# KiCad board dalishen_pi_h7p20.kicad_pcb
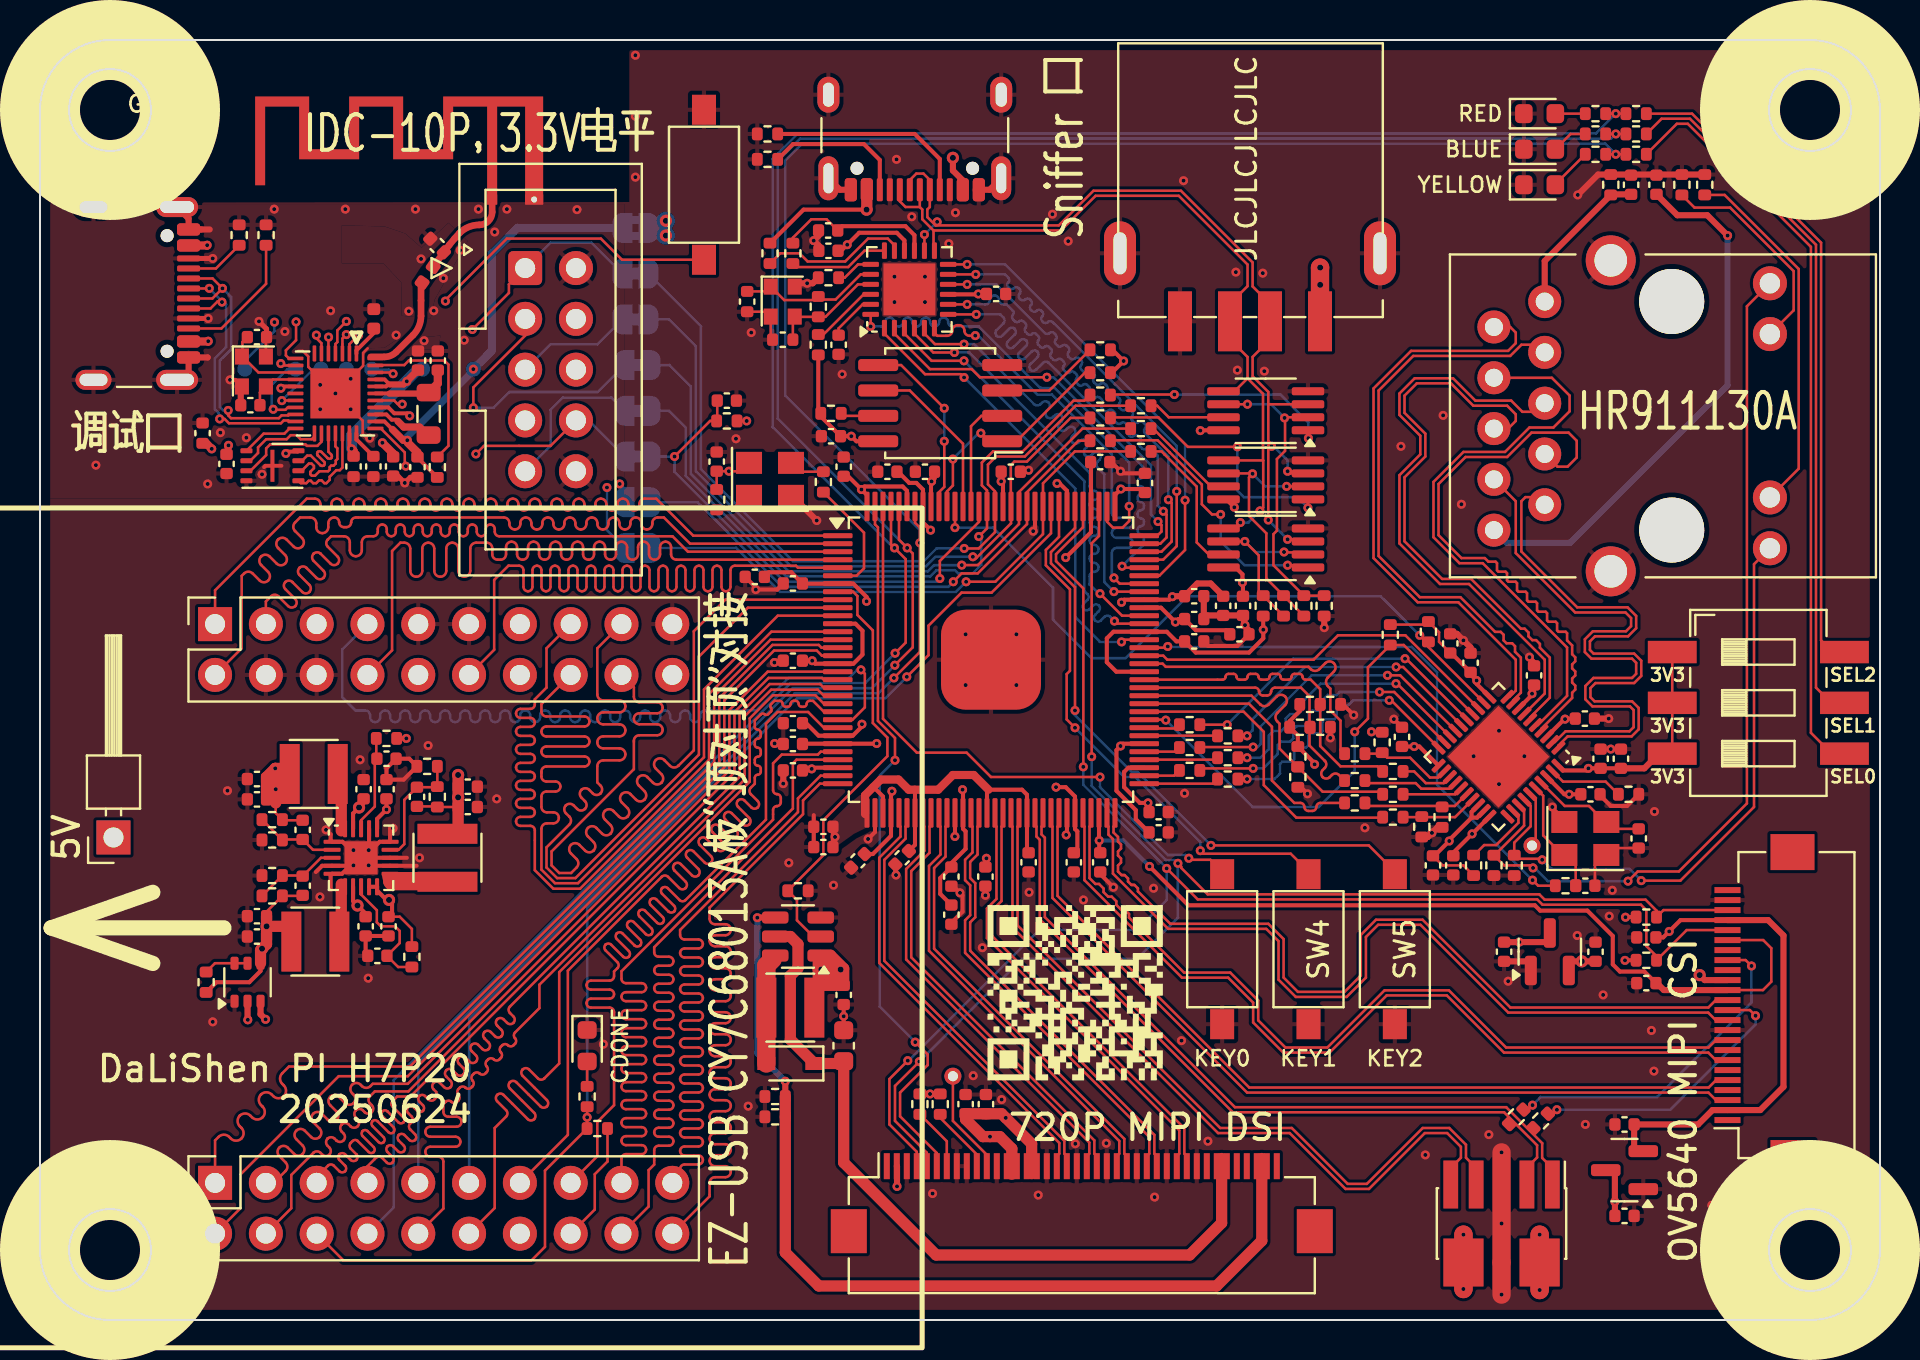
[diagram p0: board, top side]
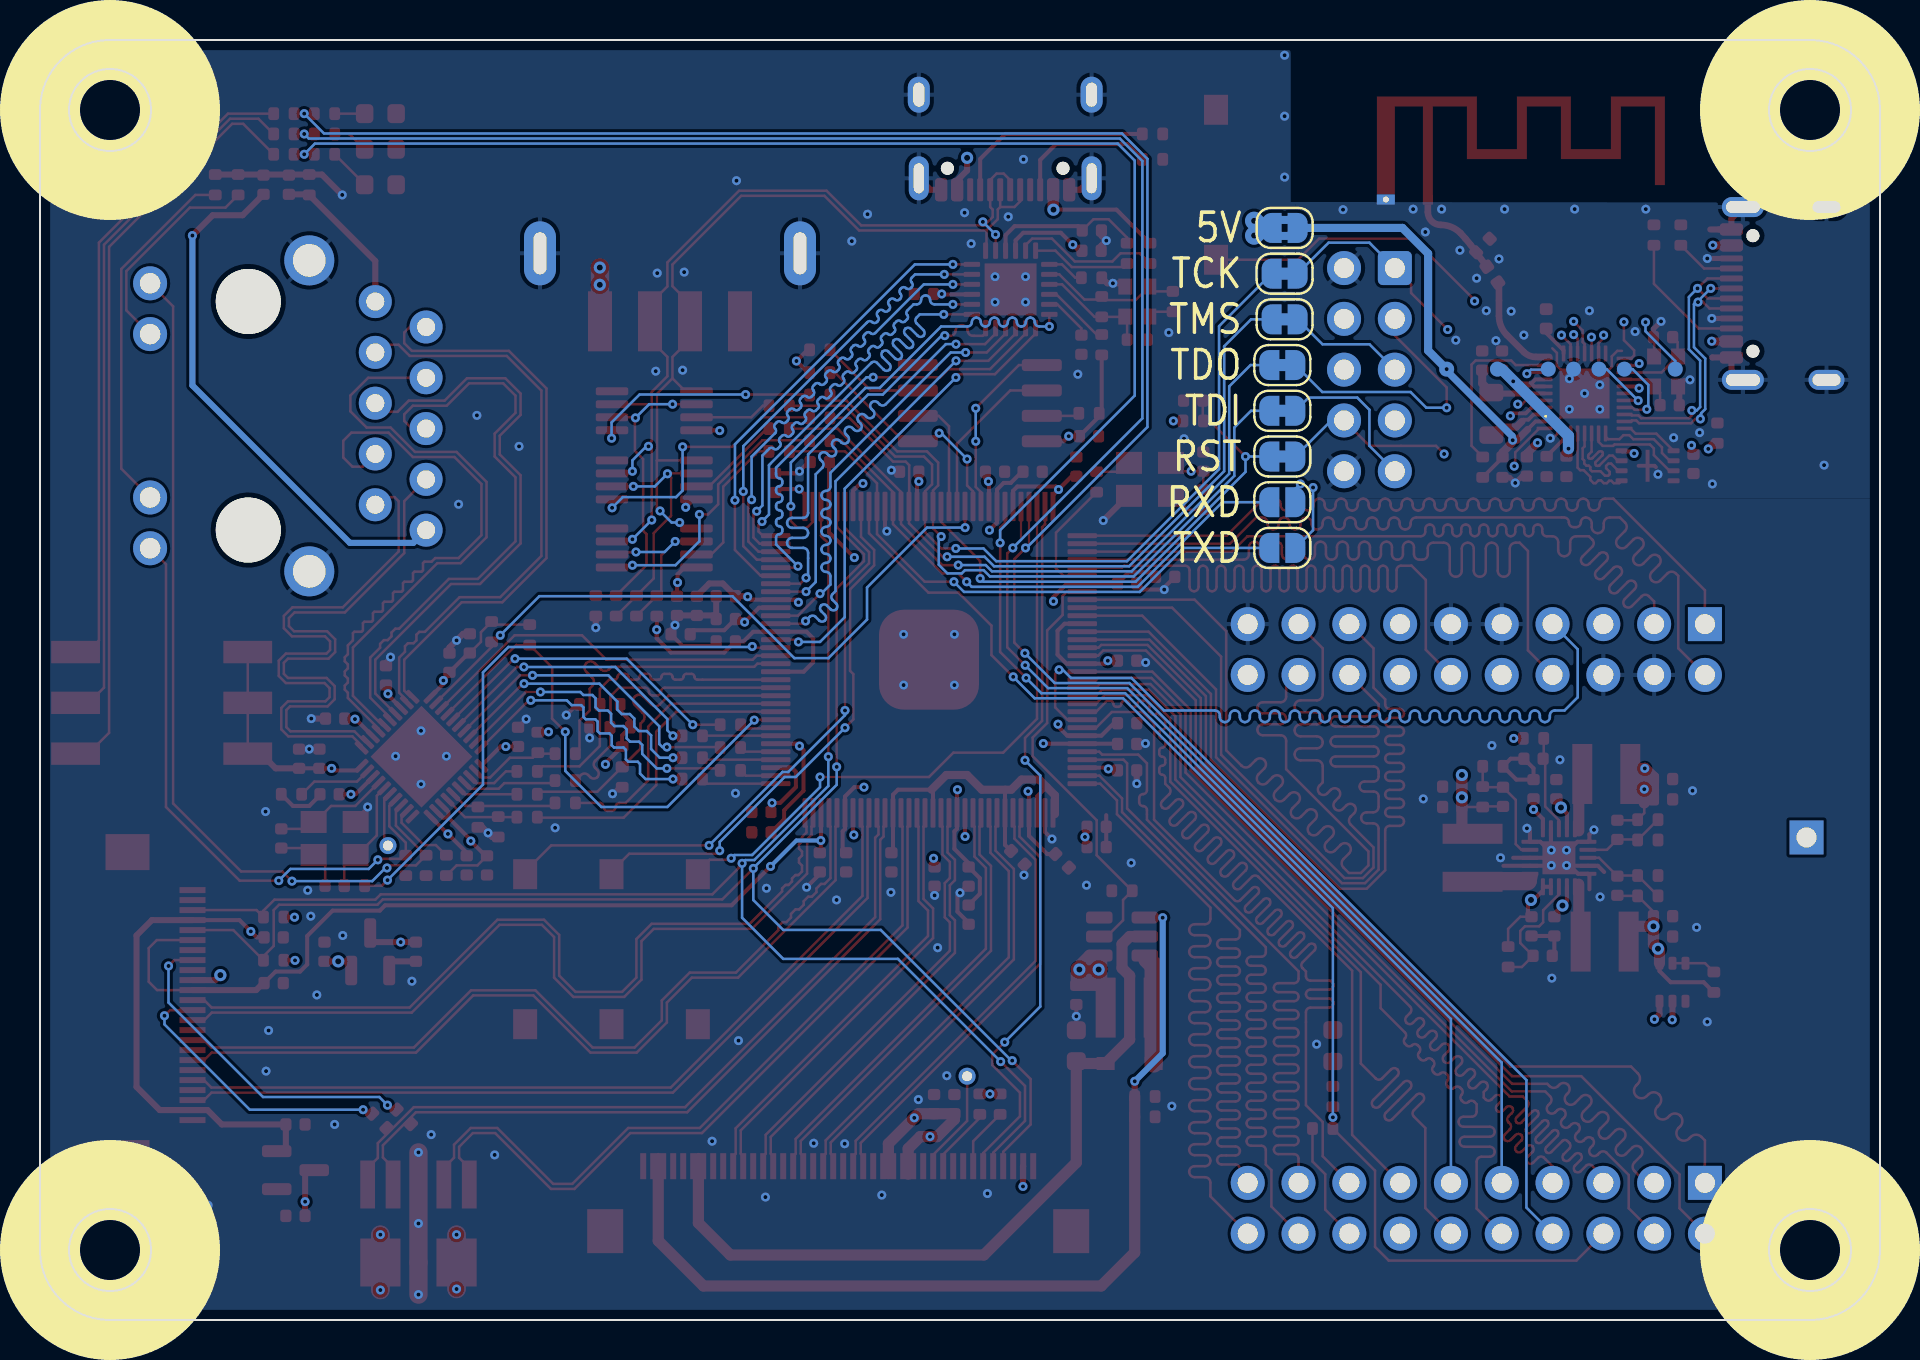
[diagram p1: board, bottom side, seen from below]

Outline 92 x 64.01 mm; copper layers: Top, In1.Cu, In2.Cu, Bottom. Coordinates in mm from the lower left corner of the outline.
Outline path: circle c3.5,60.51 r2.05 ; circle c3.5,3.5 r2.05 ; circle c88.5,60.51 r2.05 ; circle c88.5,3.5 r2.05 ; 0,60.51 arc(1.03,62.98) 3.5,64.01 88.5,64.01 arc(90.97,62.98) 92,60.51 92,3.5 arc(90.97,1.03) 88.5,0 3.5,0 arc(1.03,1.03) 0,3.5 0,60.51
Stack: Top 0.035mm / dielectric 0.2mm FR4 er 4.5 / In1.Cu 0.035mm / dielectric 1mm FR4 er 4.5 / In2.Cu 0.035mm / dielectric 0.2mm FR4 er 4.5 / Bottom 0.035mm

## Placement (name value [footprint] x y rotation side)
2x5_2.54.1001  NC  [IDC-Header_2x05_P2.54mm_Vertical]  24.26 52.6 0 top
AE1001  Antenna_Shield  [Texas_SWRA117D_2.4GHz_Left]  22.61 56.03 0 top
C1  0.1uF  [C_0402_1005Metric]  60.15 35.71 90 top
C2  NC  [C_0402_1005Metric]  33.83 42.93 270 top
C4  10uF  [C_0402_1005Metric]  35.74 37.16 0 top
C5  0.1uF  [C_0402_1005Metric]  40.9 22.96 45 top
C6  0.1uF  [C_0402_1005Metric]  37.64 36.83 0 top
C7  0.1uF  [C_0402_1005Metric]  55.93 24.38 180 top
C8  0.1uF  [C_0402_1005Metric]  51.69 22.89 90 top
C9  0.1uF  [C_0402_1005Metric]  37.64 29.84 0 top
C10  0.1uF  [C_0402_1005Metric]  45.57 22.17 90 top
C11  0.1uF  [C_0402_1005Metric]  53.01 42.9 180 top
C12  4.3pF  [C_0402_6mil]  35.36 50.93 90 top
C13  1uF  [C_0402_1005Metric]  39.42 53.47 0 top
C14  4.3pF  [C_0402_6mil]  37.14 49.02 0 top
C15  0.1uF  [C_0402_1005Metric]  47.8 51.31 180 top
C16  1uF  [C_0402_1005Metric]  39.55 44.2 0 top
C17  0.1uF  [C_0402_1005Metric]  57.71 36.19 180 top
C18  0.1uF  [C_0402_1005Metric]  42.37 42.42 0 top
C19  0.1uF  [C_0402_1005Metric]  57.71 35.05 180 top
C20  0.1uF  [C_0402_1005Metric]  44.25 42.42 0 top
C21  0.1uF  [C_0402_1005Metric]  49.43 22.89 90 top
C22  0.1uF  [C_0402_1005Metric]  47.27 22.17 90 top
C23  0.1uF  [C_0402_1005Metric]  37.64 28.8 0 top
C24  10uF  [C_0402_1005Metric]  59.97 34.29 180 top
C25  220pF  [C_0402_1005Metric]  18.85 26.16 90 top
C26  10uF  [C_0402_1005Metric]  21.39 26.67 180 top
C27  10uF  [C_0402_1005Metric]  21.39 25.65 180 top
C28  220pF  [C_0402_1005Metric]  13.13 21.72 90 top
C29  10uF  [C_0402_1005Metric]  10.85 20.19 0 top
C30  10uF  [C_0402_1005Metric]  10.85 19.18 0 top
C31  10uF  [C_0402_1005Metric]  17.43 19.68 90 top
C32  10uF  [C_0402_1005Metric]  16.28 19.68 90 top
C33  10uF  [C_0402_1005Metric]  16.18 26.54 270 top
C34  1uF  [C_0402_1005Metric]  17.32 26.54 270 top
C35  220pF  [C_0402_1005Metric]  13.13 24.51 90 top
C36  10uF  [C_0402_1005Metric]  10.85 26.03 0 top
C37  10uF  [C_0402_1005Metric]  10.85 27.05 0 top
C38  10uF  [C_0402_1005Metric]  59.16 35.71 90 top
C39  1uF  [C_0402_1005Metric]  17.32 28.07 180 top
C40  1uF  [C_0402_1005Metric]  16.87 18.21 0 top
C41  10uF  [C_0402_1005Metric]  45.57 20.27 90 top
C42  0.1uF  [C_0402_1005Metric]  57.71 33.93 180 top
C43  0.1uF  [C_0402_1005Metric]  37.64 27.48 0 top
C44  10uF  [C_0402_1005Metric]  39.17 23.65 0 top
C45  0.1uF  [C_0402_1005Metric]  39.17 24.66 0 top
C46  1uF  [C_0402_1005Metric]  34.34 45.97 180 top
C47  10uF  [C_0402_1005Metric]  70.66 22.73 90 top
C48  0.1uF  [C_0402_1005Metric]  77.52 26.29 180 top
C49  1uF  [C_0402_1005Metric]  39.93 48.77 90 top
C50  1uF  [C_0402_1005Metric]  39.41 54.48 0 top
C51  0.1uF  [C_0402_1005Metric]  77.24 30.07 180 top
C52  0.1uF  [C_0402_1005Metric]  68.1 29.16 270 top
C53  0.1uF  [C_0402_1005Metric]  74.7 32.23 270 top
C54  0.1uF  [C_0402_1005Metric]  43.1 23.11 45 top
C55  0.1uF  [C_0402_1005Metric]  69.65 22.73 90 top
C56  0.1uF  [C_0402_1005Metric]  53.01 22.89 90 top
C57  10uF  [C_0402_1005Metric]  79.05 28.07 270 top
C58  10uF  [C_0402_1005Metric]  70.51 33.83 270 top
C59  0.1uF  [C_0402_1005Metric]  71.53 32.87 270 top
C60  0.1uF  [C_0402_1005Metric]  78.03 28.07 270 top
C61  0.1uF  [C_0402_1005Metric]  55.25 41.86 270 top
C62  0.1uF  [C_0402_1005Metric]  48.54 42.42 180 top
C63  0.1uF  [C_0402_1005Metric]  40.18 42.67 270 top
C64  0.1uF  [C_0402_1005Metric]  55.93 25.4 180 top
C65  0.1uF  [C_0402_1005Metric]  37.64 32.97 0 top
C66  0.1uF  [C_0402_1005Metric]  80.82 56.77 270 top
C67  0.1uF  [C_0402_1005Metric]  79.55 56.77 270 top
C68  10uF  [C_0402_1005Metric]  40.18 16.26 90 top
C69  1uF,50V  [C_0603_1608Metric]  40.18 13.72 270 top
C70  1uF  [C_0402_1005Metric]  47.3 10.79 270 top
C71  1uF  [C_0402_1005Metric]  46.28 10.79 270 top
C72  1uF  [C_0402_1005Metric]  79.23 9.78 0 top
C73  1uF  [C_0402_1005Metric]  79.23 5.21 180 top
C74  0.1uF  [C_0402_1005Metric]  80.32 19.13 0 top
C75  1uF  [C_0402_1005Metric]  73.2 18.41 90 top
C76  1uF  [C_0402_1005Metric]  77.78 18.41 270 top
C77  1uF  [C_0402_1005Metric]  80.32 16.85 0 top
C78  NC  [C_0402_1005Metric]  77.27 21.72 180 top
C79  NC  [C_0402_1005Metric]  79.94 24.08 90 top
C1002  NC  [C_0402_1005Metric]  19.85 53.73 135 top
C1003  4.3pF  [C_0402_1005Metric]  10.85 49.15 180 top
C1005  10uF  [C_0402_1005Metric]  18.9 47.98 90 top
C1006  4.3pF  [C_0402_1005Metric]  10.52 45.75 0 top
C1007  1uF  [C_0402_1005Metric]  9.33 42.81 90 top
C1008  1uF  [C_0402_1005Metric]  17.66 42.68 270 top
C1009  10uF  [C_0402_1005Metric]  19.89 47.98 90 top
C1010  10uF  [C_0402_6mil]  18.87 42.65 270 top
C1011  NC  [C_0402_6mil]  8.13 44.35 90 top
C1012  1uF  [C_0402_6mil]  15.68 42.68 270 top
C1013  1uF  [C_0402_6mil]  16.67 42.68 270 top
CY_J1  Conn_02x10_Odd_Even  [PinSocket_2x10_P2.54mm_Vertical]  8.75 34.8 90 top
CY_J2  Conn_02x10_Odd_Even  [PinSocket_2x10_P2.54mm_Vertical]  8.75 6.86 90 top
D1  LED_RED  [LED_0603_1608Metric]  74.98 60.32 0 top
D2  LED_BLUE  [LED_0603_1608Metric]  74.98 58.55 0 top
D3  LED_GREEN  [LED_0603_1608Metric]  27.36 13.72 270 top
D4  LED_YELLOW  [LED_0603_1608Metric]  74.98 56.77 0 top
D8  1N5819(S4)  [D_SOD-323_BAT60]  37.52 12.83 180 top
G***  -  [LOGO]  51.74 16.38 0 top
J1  Conn_02x05_Odd_Even  [PinHeader_2x05_P1.27mm_Vertical_SMD]  73.08 4.83 270 top
J2  USB_C_Receptacle_USB2.0_16P  [USB_C_Receptacle_16P]  43.74 60.2 180 top
J3  USB_A  [USB-AF_YIJIAN]  60.5 50.14 180 top
J6  5V  [PinHeader_1x01_P2.54mm_Horizontal]  3.67 24.13 90 top
J7  OV5640  [Hirose_FH12-24S-0.5SH_1x24-1MP_P0.50mm_Horizontal]  86.22 15.75 90 top
J9  D500C930SV0  [Hirose_FH12-40S-0.5SH_1x40-1MP_P0.50mm_Horizontal]  52.09 5.84 0 top
J10  -  [RJ45_HR911130A]  81.62 45.22 270 top
J1001  USB_C_Receptacle_USB2.0_16P  [USB_C_Receptacle_GCT_USB4105-xx-A_16P_TopMnt_Horizontal]  3.75 51.33 270 top
JP1  SolderJumper_2_Open  [SolderJumper-2_P1.3mm_Open_RoundedPad1.0x1.5mm]  29.88 40.89 180 bottom
JP2  SolderJumper_2_Bridged  [SolderJumper-2_P1.3mm_Bridged2Bar_RoundedPad1.0x1.5mm]  29.77 54.61 180 bottom
JP3  SolderJumper_2_Bridged  [SolderJumper-2_P1.3mm_Bridged_RoundedPad1.0x1.5mm]  29.88 45.47 180 bottom
JP4  SolderJumper_2_Bridged  [SolderJumper-2_P1.3mm_Bridged_RoundedPad1.0x1.5mm]  29.77 50.04 180 bottom
JP5  SolderJumper_2_Bridged  [SolderJumper-2_P1.3mm_Bridged_RoundedPad1.0x1.5mm]  29.77 52.32 180 bottom
JP6  SolderJumper_2_Bridged  [SolderJumper-2_P1.3mm_Bridged_RoundedPad1.0x1.5mm]  29.88 47.75 180 bottom
JP9  SolderJumper_2_Bridged  [SolderJumper-2_P1.3mm_Bridged_RoundedPad1.0x1.5mm]  29.88 43.18 180 bottom
JP10  SolderJumper_2_Open  [SolderJumper-2_P1.3mm_Open_RoundedPad1.0x1.5mm]  29.88 38.61 180 bottom
L1  10uH  [L_NR3015]  37.52 15.62 180 top
L3  1.5uH  [L_NR3015]  20.37 23.11 90 top
L4  1.5uH  [L_NR3015]  13.77 18.92 0 top
L5  1.5uH  [L_NR3015]  13.69 27.3 0 top
L1001  0R  [L_0402_1005Metric]  16.69 50.06 270 top
L1003  0R  [L_0402_1005Metric]  19.38 52.27 235 top
L1004  4.7uH,MPL2012S4R7MHT  [L_0805_2012Metric]  19.43 45.31 90 top
R1  10k,1%  [R_0402_1005Metric]  61.16 35.71 90 top
R2  33k  [R_0402_1005Metric]  62.18 35.71 90 top
R3  4.7k  [R_0402_1005Metric]  63.19 35.71 90 top
R4  0  [R_0402_1005Metric]  37.64 53.34 270 top
R5  10k,1%  [R_0402_1005Metric]  8.31 16.89 270 top
R6  0  [R_0402_1005Metric]  76.28 21.72 0 top
R7  NC  [R_0402_1005Metric]  33.83 41.02 270 top
R8  33  [R_0402_1005Metric]  39.17 41.91 90 top
R9  33  [R_0402_1005Metric]  73.81 10.16 225 top
R10  4.7k  [R_0402_1005Metric]  64.21 35.71 270 top
R11  33  [R_0402_1005Metric]  75.03 9.96 225 top
R15  10k,1%  [R_0402_1005Metric]  77.77 60.32 0 top
R16  2.49k  [R_0402_1005Metric]  27.87 9.58 180 top
R18  5.1k  [R_0402_1005Metric]  77.77 59.31 0 top
R19  10k,1%  [R_0402_1005Metric]  27.36 11.18 270 top
R20  5.1k  [R_0402_1005Metric]  77.77 58.29 0 top
R21  5.1k  [R_0402_1005Metric]  45.01 10.79 90 top
R22  5.1k  [R_0402_1005Metric]  43.99 10.79 90 top
R23  2.49k  [R_0402_1005Metric]  55.04 43.43 180 top
R24  2.49k  [R_0402_1005Metric]  53.01 43.97 180 top
R25  2.49k  [R_0402_1005Metric]  55.04 44.58 180 top
R26  2.49k  [R_0402_1005Metric]  53.01 45.11 180 top
R27  2.49k  [R_0402_1005Metric]  55.04 45.72 180 top
R28  2.49k  [R_0402_1005Metric]  53.01 46.25 180 top
R29  20k,1%  [R_0402_1005Metric]  19.86 26.16 270 top
R30  33k,1%  [R_0402_1005Metric]  19.36 27.69 0 top
R31  20k,1%  [R_0402_1005Metric]  11.61 21.21 0 top
R32  10k,1%  [R_0402_1005Metric]  11.61 22.22 0 top
R33  150k,1%  [R_0402_1005Metric]  11.61 25.02 180 top
R34  33k,1%  [R_0402_1005Metric]  11.61 24 180 top
R35  20k,1%  [R_0402_1005Metric]  18.59 18.16 90 top
R36  33k,1%  [R_0402_1005Metric]  17.32 29.08 0 top
R38  2.49k  [R_0402_1005Metric]  82.09 56.77 90 top
R39  2.49k  [R_0402_1005Metric]  83.24 56.77 90 top
R40  5.1k  [R_0402_1005Metric]  71.68 22.73 90 top
R41  4.7k  [R_0402_1005Metric]  69.42 34.42 270 top
R42  5.1k  [R_0402_1005Metric]  72.7 22.73 270 top
R43  5.1k  [R_0402_1005Metric]  73.71 22.73 270 top
R44  10k,1%  [R_0402_1005Metric]  67.51 34.26 270 top
R45  2.49k  [R_0402_1005Metric]  79.43 26.29 0 top
R46  5.1k  [R_0402_1005Metric]  69.09 24.66 270 top
R47  5.1k  [R_0402_1005Metric]  70.11 25.15 270 top
R48  5.1k  [R_0402_1005Metric]  67.11 28.88 270 top
R49  5.1k  [R_0402_1005Metric]  62.89 28.17 270 top
R50  5.1k  [R_0402_1005Metric]  62.99 29.64 0 top
R51  NC  [R_0402_1005Metric]  63.5 30.78 0 top
R52  NC  [R_0402_1005Metric]  62.89 27.15 270 top
R53  NC  [R_0402_1005Metric]  64.01 29.64 0 top
R54  5.1k  [R_0402_1005Metric]  64.52 30.78 0 top
R55  2.49k  [R_0402_1005Metric]  79.81 58.29 180 top
R56  2.49k  [R_0402_1005Metric]  79.81 59.31 180 top
R57  2.49k  [R_0402_1005Metric]  79.81 60.32 180 top
R61  5.1k  [R_0402_1005Metric]  34.34 44.96 180 top
R62  5.1k  [R_0402_1005Metric]  78.54 56.77 90 top
R63  10k  [R_0402_1005Metric]  37.9 21.46 0 top
R64  10,1%  [R_0402_1005Metric]  36.75 10.16 180 top
R65  10,1%  [R_0402_1005Metric]  36.75 11.18 180 top
R68  5.1k  [R_0402_1005Metric]  80.32 17.99 180 top
R69  5.1k  [R_0402_1005Metric]  80.32 20.15 180 top
R70  33  [R_0402_1005Metric]  67.64 25.15 0 top
R71  33  [R_0402_1005Metric]  65.74 25.86 0 top
R72  33  [R_0402_1005Metric]  67.64 26.29 0 top
R73  33  [R_0402_1005Metric]  65.74 26.97 0 top
R74  33  [R_0402_1005Metric]  67.64 27.43 0 top
R75  33  [R_0402_1005Metric]  65.74 28.32 0 top
R76  5.1k  [R_0402_1005Metric]  36.37 58.04 180 top
R77  5.1k  [R_0402_1005Metric]  36.37 59.31 180 top
R78  1M  [R_0402_1005Metric]  38.91 50.67 270 top
R79  10k,1%  [R_0402_1005Metric]  36.5 53.34 270 top
R80  10k  [R_0402_1005Metric]  53.01 47.37 180 top
R81  10k  [R_0402_1005Metric]  53.01 48.51 180 top
R82  10k  [R_0402_1005Metric]  39.55 45.34 0 top
R83  33  [R_0402_1005Metric]  59.39 27.05 0 top
R84  33  [R_0402_1005Metric]  57.48 27.48 0 top
R85  33  [R_0402_1005Metric]  59.39 28.12 0 top
R86  33  [R_0402_1005Metric]  57.48 28.63 0 top
R87  33  [R_0402_1005Metric]  59.39 29.21 0 top
R89  8.06k  [R_0402_1005Metric]  39.42 52.12 180 top
R90  10k,1%  [R_0402_1005Metric]  38.91 48.77 90 top
R91  33  [R_0402_1005Metric]  57.48 29.77 0 top
R1001  5.1k  [R_0402_1005Metric]  9.96 54.25 270 top
R1002  5.1k  [R_0402_1005Metric]  11.3 54.25 270 top
R1003  47k  [R_0402_1005Metric]  19.86 42.65 270 top
SW1  SW_Push  [SW-3x6mm_Hxx_SMD]  59.11 18.54 90 top
SW2  SW_Push  [SW-3x6mm_Hxx_SMD]  33.2 56.77 90 top
SW3  SW_DIP_x03  [SW_DIP_SPSTx03_Slide_6.7x9.18mm_W8.61mm_P2.54mm_LowProfile]  85.92 30.86 0 top
SW4  SW_Push  [SW-3x6mm_Hxx_SMD]  63.43 18.54 90 top
SW5  SW_Push  [SW-3x6mm_Hxx_SMD]  67.74 18.54 90 top
TP1  TestPoint  [PinHeader_1x01_P1.00mm_Vertical]  45.65 12.19 0 top
TP2  TestPoint  [PinHeader_1x01_P1.00mm_Vertical]  74.6 23.72 0 top
TP1001  TestPoint  [TestPoint_Pad_D0.75mm]  15.32 47.55 180 bottom
TP1002  TestPoint  [TestPoint_Pad_D0.75mm]  19.13 47.55 180 bottom
TP1003  TestPoint  [TestPoint_Pad_D0.75mm]  21.67 47.55 180 bottom
TP1004  TestPoint  [TestPoint_Pad_D0.75mm]  10.24 47.55 180 bottom
TP1005  TestPoint  [TestPoint_Pad_D0.75mm]  16.59 47.55 180 bottom
TP1006  TestPoint  [TestPoint_Pad_D0.75mm]  14.05 47.55 180 bottom
TP1007  TestPoint  [TestPoint_Pad_D0.75mm]  12.78 47.55 180 bottom
U1  YT8531C  [QFN-40-1EP_5x5mm_P0.4mm_EP3.6x3.6mm]  72.92 28.17 225 top
U2  LM2903A-VR  [MSOP-8_3x3mm_P0.65mm]  61.29 45.47 180 top
U3  H7P20N0L128-M3H1  [LQFP-128_14x14mm_P0.4mm_pad]  47.55 33.02 0 top
U4  SY7201ABC  [SOT-23-6]  37.9 19.18 180 top
U5  XC6206-2.8  [SOT-23]  79.23 7.49 180 top
U6  EA3036C  [QFN-20-1EP_3x3mm_P0.4mm_EP1.65x1.65mm]  16.05 23.11 0 top
U7  P25Q64SH-SSH-IR  [SOIC-8_P1.27mm_Common]  45.01 45.85 180 top
U8  XC6206-1.5  [SOT-23]  75.49 18.41 90 top
U9  CJ3439KDW  [SOT-363_SC-70-6]  10.38 16.89 90 top
U18  LM2903A-VR  [MSOP-8_3x3mm_P0.65mm]  61.29 42.01 180 top
U19  LM2903A-VR  [MSOP-8_3x3mm_P0.65mm]  61.29 38.61 180 top
U20  USB3343  [QFN-24-1EP_4x4mm_P0.5mm_EP2.6x2.6mm]  43.47 51.54 90 top
U1001  AIC8800FC  [QFN-36-1EP_4x4mm_P0.35mm_EP2.5x2.5mm]  14.77 46.33 270 top
U1002  P25Q80H/P25Q64H/P25Q128HA  [USON-8-1EP_3x2mm_P0.5mm_EP1.6x02mm]  11.62 42.72 0 top
X1  NC  [OSC_3225]  36.5 42.04 0 top
Y1  26M  [OSC_2016]  37.14 50.93 270 top
Y2  NC  [OSC_3225]  77.27 24.08 0 top
Y1001  26M, 10PPM  [OSC_2016]  10.69 47.43 270 top

## Library data of the parts
2x5_2.54.1001 J1 = -: Description: Generic connector, double row, 02x05, odd/even pin numbering scheme (row 1 odd numbers, row 2 even numbers), script generated (kicad-library-utils/schlib/autogen/connector/)
AE1001 = -: Description: Antenna with extra pin for shielding
C1 C2 C4-C79 C1002 C1003 C1005-C1013 = -: Description: Unpolarized capacitor
CY_J1 CY_J2 = -: Description: Generic connector, double row, 02x10, odd/even pin numbering scheme (row 1 odd numbers, row 2 even numbers), script generated (kicad-library-utils/schlib/autogen/connector/)
D1-D4 = -: Description: Light emitting diode
D8 = -: Description: Schottky diode
J2 J1001 = -: Description: USB 2.0-only 16P Type-C Receptacle connector
J3 = -: Description: USB Type A connector
J6 = -: Description: Generic connector, single row, 01x01, script generated (kicad-library-utils/schlib/autogen/connector/)
J7 = -: Description: Generic connector, single row, 01x24, script generated (kicad-library-utils/schlib/autogen/connector/)
J9 = -: Description: Generic connector, single row, 01x40, script generated (kicad-library-utils/schlib/autogen/connector/)
JP1 JP10 = -: Description: Solder Jumper, 2-pole, open
JP2-JP6 JP9 = -: Description: Solder Jumper, 2-pole, closed/bridged
L1 L3-L5 L1001 L1003 L1004 = -: Description: Inductor
R1-R11 R15 R16 R18-R36 R38-R57 R61-R65 R68-R87 R89-R91 R1001-R1003 = -: Description: Resistor
SW1 SW2 SW4 SW5 = -: Description: Push button switch, generic, two pins
SW3 = -: Description: 3x DIP Switch, Single Pole Single Throw (SPST) switch, small symbol
TP1 TP2 TP1001-TP1007 = -: Description: test point
U2 U18 U19 = -: Description: Low-Power, Low-Offset Voltage, Dual Comparators, DIP-8/SOIC-8/SOP-8/TSSOP-8/VSSOP-8
U7 U1002 = -: Description: 32Mb Serial Flash Memory, Standard/Dual/Quad SPI, DFN-8
U20 = -: Description: Hi-Speed USB ULPI Transceiver, QFN-24
X1 = -: Description: HCMOS Clock Oscillator
Y1 Y2 Y1001 = -: Description: Four pin crystal, GND on pins 2 and 4, small symbol

## Footprints (pads in the part's own frame, mm; a bottom-side part is the same pattern mirrored in y, then rotated)
C_0402_6mil
  rrect 0.546x0.62 smd: 1(-0.508,0) 2(0.508,0)
C_0402_1005Metric
  rrect 0.56x0.62 smd: 1(-0.48,0) 2(0.48,0)
C_0603_1608Metric
  rrect 0.9x0.95 smd: 1(-0.775,0) 2(0.775,0)
D_SOD-323_BAT60
  rect 0.9x0.65 smd: 1(-1.2,0) 2(1.2,0)
Hirose_FH12-24S-0.5SH_1x24-1MP_P0.50mm_Horizontal
  rect 0.3x1.3 smd: 1(-5.75,1.85) 2(-5.25,1.85) 3(-4.75,1.85) 4(-4.25,1.85) 5(-3.75,1.85) 6(-3.25,1.85) 7(-2.75,1.85) 8(-2.25,1.85) 9(-1.75,1.85) 10(-1.25,1.85) 11(-0.75,1.85) 12(-0.25,1.85) 13(0.25,1.85) 14(0.75,1.85) 15(1.25,1.85) 16(1.75,1.85) 17(2.25,1.85) 18(2.75,1.85) 19(3.25,1.85) 20(3.75,1.85) 21(4.25,1.85) 22(4.75,1.85) 23(5.25,1.85) 24(5.75,1.85)
  rect 1.8x2.2 smd: MP(-7.65,-1.4) MP(7.65,-1.4)
Hirose_FH12-40S-0.5SH_1x40-1MP_P0.50mm_Horizontal
  rect 0.3x1.3 smd: 1(-9.75,1.85) 2(-9.25,1.85) 3(-8.75,1.85) 4(-8.25,1.85) 5(-7.75,1.85) 6(-7.25,1.85) 7(-6.75,1.85) 8(-6.25,1.85) 9(-5.75,1.85) 10(-5.25,1.85) 11(-4.75,1.85) 12(-4.25,1.85) 13(-3.75,1.85) 14(-3.25,1.85) 15(-2.75,1.85) 16(-2.25,1.85) 17(-1.75,1.85) 18(-1.25,1.85) 19(-0.75,1.85) 20(-0.25,1.85) 21(0.25,1.85) 22(0.75,1.85) 23(1.25,1.85) 24(1.75,1.85) 25(2.25,1.85) 26(2.75,1.85) 27(3.25,1.85) 28(3.75,1.85) 29(4.25,1.85) 30(4.75,1.85) 31(5.25,1.85) 32(5.75,1.85) 33(6.25,1.85) 34(6.75,1.85) 35(7.25,1.85) 36(7.75,1.85) 37(8.25,1.85) 38(8.75,1.85) 39(9.25,1.85) 40(9.75,1.85)
  rect 1.8x2.2 smd: MP(-11.65,-1.4) MP(11.65,-1.4)
IDC-Header_2x05_P2.54mm_Vertical
  rrect 1.7x1.7 hole 1: 1(0,0)
  round 1.7 hole 1: 2(2.54,0) 3(0,-2.54) 4(2.54,-2.54) 5(0,-5.08) 6(2.54,-5.08) 7(0,-7.62) 8(2.54,-7.62) 9(0,-10.16) 10(2.54,-10.16)
L_0402_1005Metric
  rrect 0.59x0.64 smd: 1(-0.485,0) 2(0.485,0)
L_0805_2012Metric
  rrect 0.875x1.2 smd: 1(-1.062,0) 2(1.062,0)
L_NR3015
  rect 1x3 smd: 1(-1.2,0) 2(1.2,0)
LED_0603_1608Metric
  rrect 0.875x0.95 smd: 1(-0.787,0) 2(0.787,0)
LQFP-128_14x14mm_P0.4mm_pad
  rrect 1.475x0.25 smd: 1(-7.662,6.2) 2(-7.662,5.8) 3(-7.662,5.4) 4(-7.662,5) 5(-7.662,4.6) 6(-7.662,4.2) 7(-7.662,3.8) 8(-7.662,3.4) 9(-7.662,3) 10(-7.662,2.6) 11(-7.662,2.2) 12(-7.662,1.8) 13(-7.662,1.4) 14(-7.662,1) 15(-7.662,0.6) 16(-7.662,0.2) 17(-7.662,-0.2) 18(-7.662,-0.6) 19(-7.662,-1) 20(-7.662,-1.4) 21(-7.662,-1.8) 22(-7.662,-2.2) 23(-7.662,-2.6) 24(-7.662,-3) 25(-7.662,-3.4) 26(-7.662,-3.8) 27(-7.662,-4.2) 28(-7.662,-4.6) 29(-7.662,-5) 30(-7.662,-5.4) 31(-7.662,-5.8) 32(-7.662,-6.2) 65(7.662,-6.2) 66(7.662,-5.8) 67(7.662,-5.4) 68(7.662,-5) 69(7.662,-4.6) 70(7.662,-4.2) 71(7.662,-3.8) 72(7.662,-3.4) 73(7.662,-3) 74(7.662,-2.6) 75(7.662,-2.2) 76(7.662,-1.8) 77(7.662,-1.4) 78(7.662,-1) 79(7.662,-0.6) 80(7.662,-0.2) 81(7.662,0.2) 82(7.662,0.6) 83(7.662,1) 84(7.662,1.4) 85(7.662,1.8) 86(7.662,2.2) 87(7.662,2.6) 88(7.662,3) 89(7.662,3.4) 90(7.662,3.8) 91(7.662,4.2) 92(7.662,4.6) 93(7.662,5) 94(7.662,5.4) 95(7.662,5.8) 96(7.662,6.2)
  rrect 0.25x1.475 smd: 33(-6.2,-7.662) 34(-5.8,-7.662) 35(-5.4,-7.662) 36(-5,-7.662) 37(-4.6,-7.662) 38(-4.2,-7.662) 39(-3.8,-7.662) 40(-3.4,-7.662) 41(-3,-7.662) 42(-2.6,-7.662) 43(-2.2,-7.662) 44(-1.8,-7.662) 45(-1.4,-7.662) 46(-1,-7.662) 47(-0.6,-7.662) 48(-0.2,-7.662) 49(0.2,-7.662) 50(0.6,-7.662) 51(1,-7.662) 52(1.4,-7.662) 53(1.8,-7.662) 54(2.2,-7.662) 55(2.6,-7.662) 56(3,-7.662) 57(3.4,-7.662) 58(3.8,-7.662) 59(4.2,-7.662) 60(4.6,-7.662) 61(5,-7.662) 62(5.4,-7.662) 63(5.8,-7.662) 64(6.2,-7.662) 97(6.2,7.662) 98(5.8,7.662) 99(5.4,7.662) 100(5,7.662) 101(4.6,7.662) 102(4.2,7.662) 103(3.8,7.662) 104(3.4,7.662) 105(3,7.662) 106(2.6,7.662) 107(2.2,7.662) 108(1.8,7.662) 109(1.4,7.662) 110(1,7.662) 111(0.6,7.662) 112(0.2,7.662) 113(-0.2,7.662) 114(-0.6,7.662) 115(-1,7.662) 116(-1.4,7.662) 117(-1.8,7.662) 118(-2.2,7.662) 119(-2.6,7.662) 120(-3,7.662) 121(-3.4,7.662) 122(-3.8,7.662) 123(-4.2,7.662) 124(-4.6,7.662) 125(-5,7.662) 126(-5.4,7.662) 127(-5.8,7.662) 128(-6.2,7.662)
  rrect 5x5 smd: 129(0,0)
MSOP-8_3x3mm_P0.65mm
  rrect 1.625x0.4 smd: 1(-2.112,0.975) 2(-2.112,0.325) 3(-2.112,-0.325) 4(-2.112,-0.975) 5(2.112,-0.975) 6(2.112,-0.325) 7(2.112,0.325) 8(2.112,0.975)
OSC_2016
  rect 0.8x0.7 smd: 1(-0.75,-0.6) 2(0.75,-0.6) 3(0.75,0.6) 4(-0.75,0.6)
OSC_3225
  rect 1.3x1.1 smd: 1(-1.05,-0.825) 2(1.05,-0.825) 3(1.05,0.825) 4(-1.05,0.825)
PinHeader_1x01_P1.00mm_Vertical
  round 0.85 hole 0.5: 1(0,0)
PinHeader_1x01_P2.54mm_Horizontal
  rect 1.7x1.7 hole 1: 1(0,0)
PinHeader_2x05_P1.27mm_Vertical_SMD
  rect 2.4x0.74 smd: 1(-1.95,2.54) 2(1.95,2.54) 3(-1.95,1.27) 4(1.95,1.27) 5(-1.95,0) 6(1.95,0) 7(-1.95,-1.27) 8(1.95,-1.27) 9(-1.95,-2.54) 10(1.95,-2.54)
PinSocket_2x10_P2.54mm_Vertical